# KiCad board StarboardWing.kicad_pcb (continued)
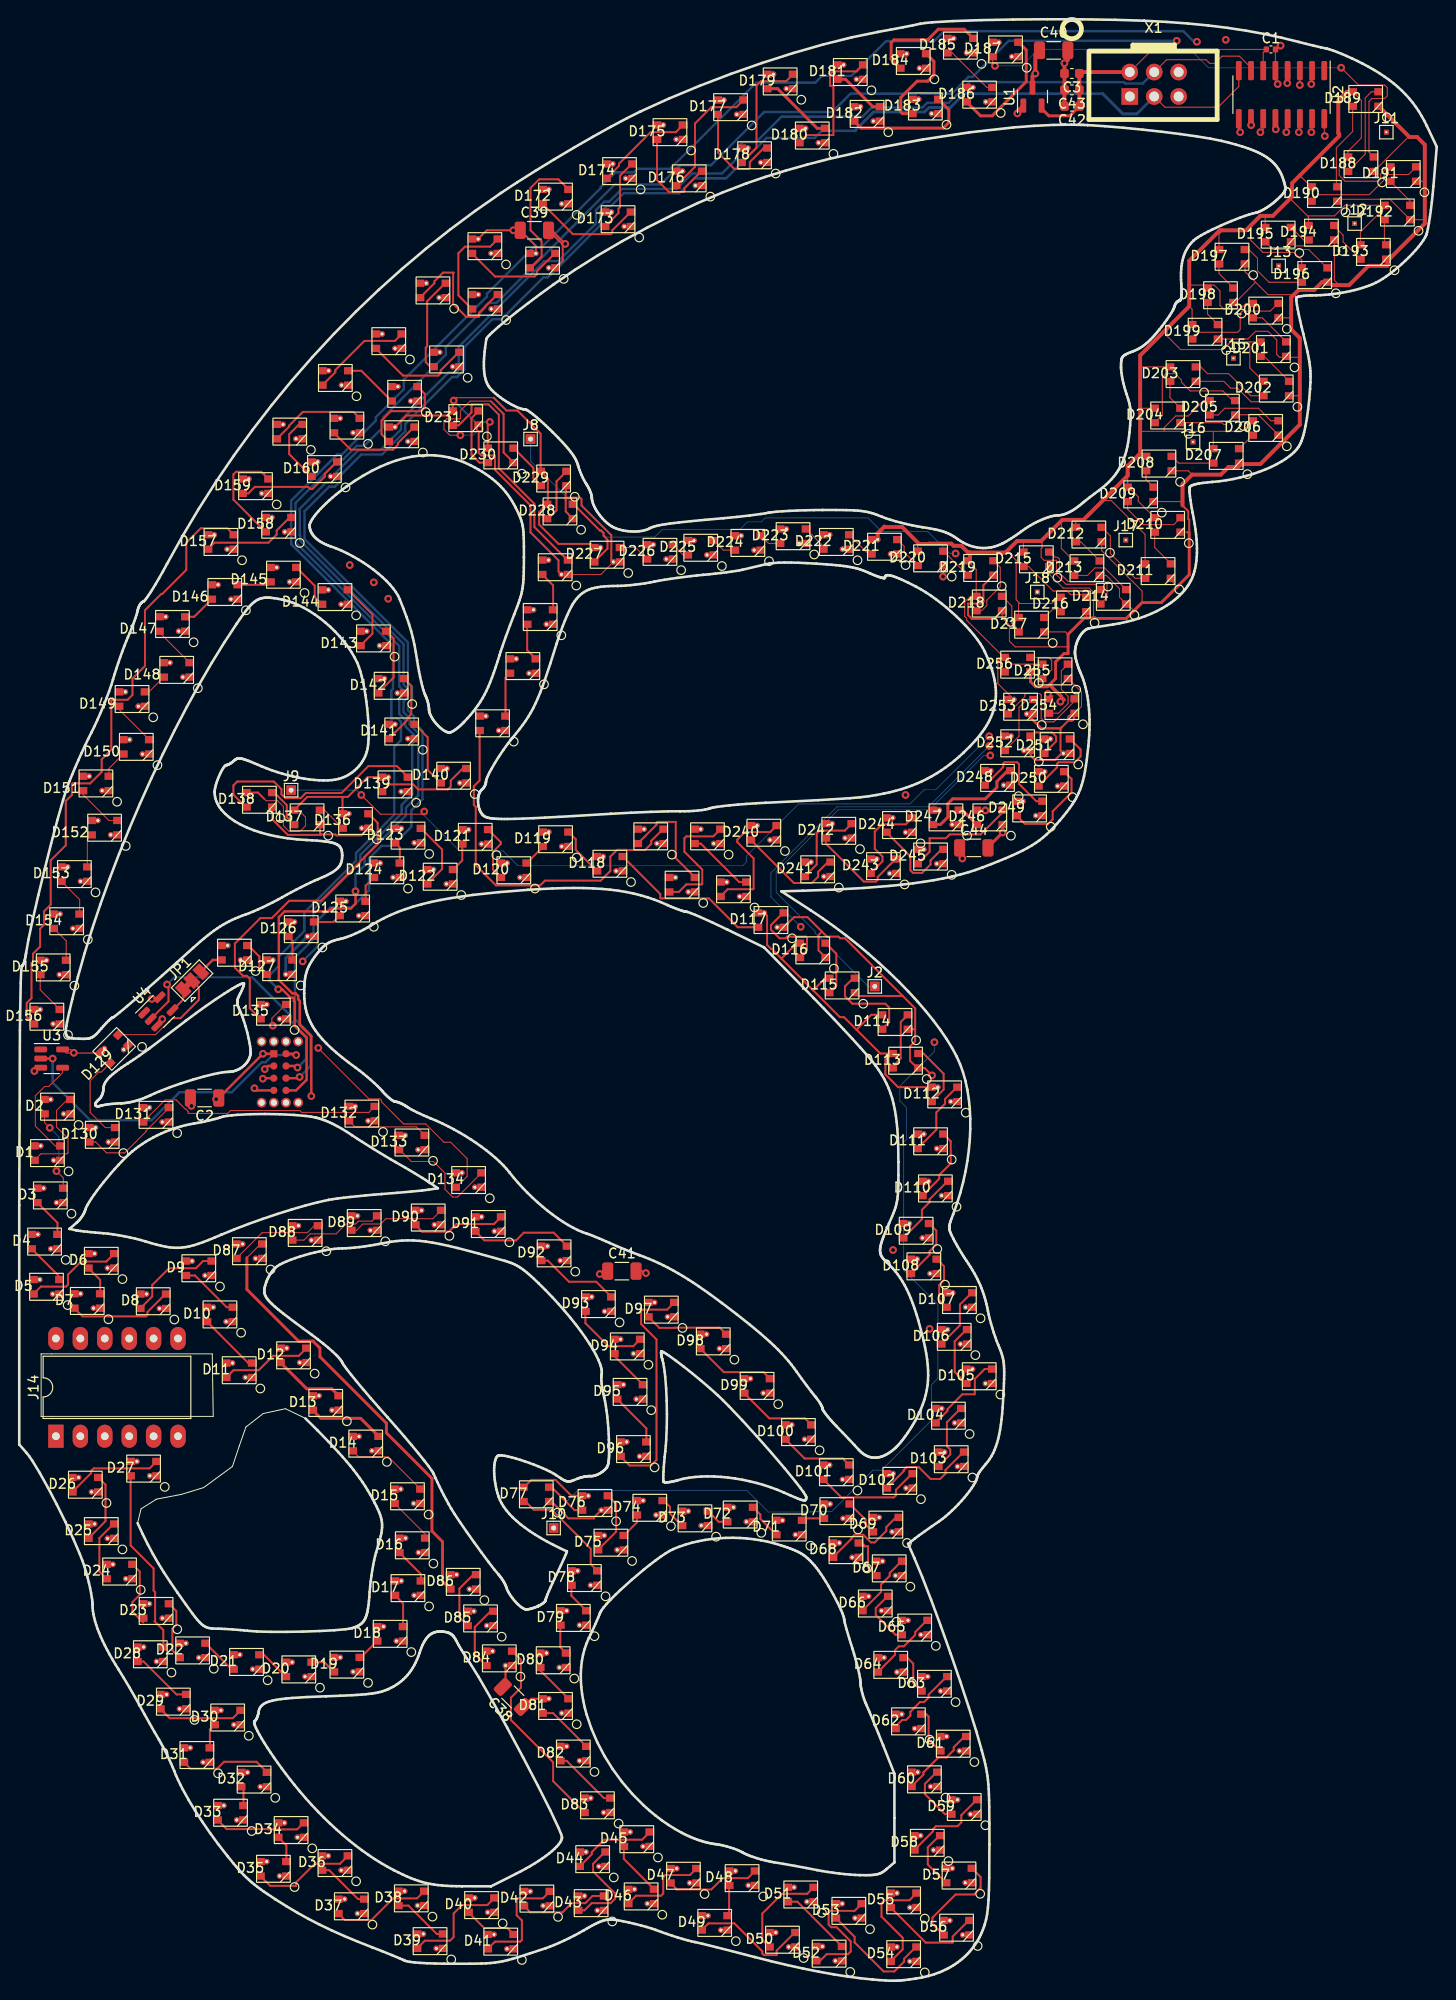
[diagram p0: board, top side]
## Routing (per net, layer and track width the routed paths; a pad name or vN(x,y) marks a point on that pad's centre or on a via; arc(x,y) is an arc through that point) (continued)
Net-(D50-DOUT): length 10.3
  Top w0.2: D51.2 81.95,9.04 79.32,9.04 77.27,6.99 77.27,4.27 D50.4
Net-(D51-DOUT): length 7.6
  Top w0.2: D51.4 80.92,8.22 D52.2
Net-(D52-DOUT): length 13.2
  Top w0.2: D52.4 83.27,2.07 83.97,2.77 86.2,2.77 86.47,3.04 86.47,4.09 85,5.57 84.45,5.57 84.17,5.84 84.17,7.19 84.25,7.27 86.87,7.27 D53.2
Net-(D53-DOUT): length 12.3
  Top w0.2: D53.4 86.87,4.57 86.87,3.99 89.9,0.97 91,0.97 92.02,1.99 92.02,2.29 93.25,3.52 D54.2
Net-(D54-DOUT): length 11.6
  Top w0.2: D55.2 92.57,8.37 89.97,8.37 89.67,8.07 89.67,6.67 91.87,4.47 91.87,3.27 D54.4
Net-(D55-DOUT): length 11
  Top w0.2: D55.4 94.27,3.97 97.07,3.97 97.07,4.59 98.75,6.27 D56.2
Net-(D56-DOUT): length 11
  Top w0.2: D56.4 94.97,5.92 94.97,6.57 97.37,8.97 99.28,8.97 99.97,9.66 99.97,10.8 D57.2
Net-(D57-DOUT): length 6.3
  Top w0.2: D58.2 95.71,15.09 94.48,13.86 94.48,12.09 D57.4
Net-(D58-DOUT): length 9.3
  Top w0.2: D59.2 99.58,18.82 97.97,17.21 97.97,16.47 97.57,16.07 95.33,16.07 95.03,15.76 95.03,15.54 D58.4
Net-(D59-DOUT): length 6.5
  Top w0.2: D60.2 95.41,21.69 94.18,20.46 94.18,19.41 96.27,17.32 D59.4
Net-(D60-DOUT): length 8.2
  Top w0.2: D60.4 94.03,21.44 94.03,21.66 95.58,23.21 96.42,23.21 97.18,23.97 97.18,24.27 98.3,25.39 D61.2
Net-(D61-DOUT): length 4.9
  Top w0.2: D62.2 94.32,27.72 94.57,27.47 94.57,25.1 D61.4
Net-(D62-DOUT): length 8.2
  Top w0.2: D63.2 96.45,31.62 94.57,29.74 94.57,29.44 94.1,28.97 93.67,28.97 92.67,27.97 92.67,27.57 92.22,27.12 91.82,27.12 91.12,26.42 D62.4
Net-(D63-DOUT): length 4.5
  Top w0.2: D63.4 92.97,30.97 92.97,32.97 92.35,33.59 D64.2
Net-(D64-DOUT): length 7.9
  Top w0.2: D65.2 94.4,37.47 93.17,36.24 93.17,35.94 92,34.77 91.47,34.77 91.07,34.37 91.07,33.88 D64.4
Net-(D65-DOUT): length 6.1
  Top w0.2: D66.2 90.3,39.97 89.07,38.74 89.07,38.02 91.12,35.97 D65.4
Net-(D66-DOUT): length 6.9
  Top w0.2: D67.2 91.75,43.62 90.52,42.39 90.52,42.09 89.62,41.19 89.62,40.42 D66.4
Net-(D67-DOUT): length 4.7
  Top w0.2: D67.4 88.27,42.97 88.27,45.17 87.97,45.17 ; D68.2 87.62,45.52 87.97,45.17 ; 87.97,45.17 87.77,45.17
Net-(D68-DOUT): length 9.5
  Top w0.2: D69.2 91.17,48.17 90.17,47.17 90.17,46.77 88.97,45.57 88.57,45.57 87.77,46.37 86.87,46.37 86.57,46.07 86.57,45.97 D68.4
Net-(D69-DOUT): length 3.9
  Top w0.2: D70.2 88.02,47.92 88.02,47.42 D69.4
Net-(D70-DOUT): length 2.3
  Top w0.2: D71.2 81.62,48.07 D70.4
Net-(D71-DOUT): length 3.8
  Top w0.2: D72.2 77.07,48.47 77.07,48.02 D71.4
Net-(D72-DOUT): length 2.5
  Top w0.2: D73.2 72.72,47.72 D72.4
Net-(D73-DOUT): length 3.5
  Top w0.2: D74.2 67.02,49.92 67.67,49.27 67.67,48.57 D73.4
Net-(D74-DOUT): length 2.7
  Top w0.2: D75.2 64.22,47.63 D74.4
Net-(D75-DOUT): length 6.8
  Top w0.2: D75.4 62.07,46.68 62.07,49.57 D76.2
Net-(D76-DOUT): length 4.3
  Top w0.2: D76.4 57.76,48.92 55.28,51.39
Net-(D77-DOUT): length 11.5
  Top w0.2: 52.58,49.89 53.51,48.97 55.37,48.97 59.43,44.91 59.43,43.31 D78.2
Net-(D78-DOUT): length 3.3
  Top w0.2: D79.2 57.42,40.02 D78.4
Net-(D79-DOUT): length 3.1
  Top w0.2: D80.2 56.27,34.67 D79.4
Net-(D80-DOUT): length 4.5
  Top w0.2: D81.2 54.17,32.27 D80.4
Net-(D81-DOUT): length 6
  Top w0.2: D81.4 55.52,27.82 D82.2
Net-(D82-DOUT): length 6.8
  Top w0.2: D82.4 56.92,22.87 60.8,18.99 D83.2
Net-(D83-DOUT): length 20.7
  Top w0.2: D84.2 52.17,33.37 52.17,30.47 51.13,29.43 51.13,27.1 55.52,22.72 55.52,20.75 D83.4
Net-(D84-DOUT): length 7.1
  Top w0.2: D84.4 47.37,33.97 47.37,36.77 49.02,38.42 D85.2
Net-(D85-DOUT): length 6.6
  Top w0.2: D85.4 45.77,37.77 45.77,40.77 47.22,42.22 D86.2
Net-(D86-DOUT): length 46.3
  Top w0.1: 23.67,75.17 25.1,76.59 D87.2
  Top w0.3: D86.4 44.02,41.52 44.02,45.64 42.92,46.74 42.92,52.22 38.18,56.96 38.18,57.96 31.27,64.87 31.27,65.77 30.55,66.49 29.05,66.49 23.67,71.87 23.67,75.17
Net-(D87-DOUT): length 9.9
  Top w0.1: D88.2 30.68,78.49 29.96,77.77 25.26,77.77 D87.4
Net-(D88-DOUT): length 9.9
  Top w0.1: D89.2 36.67,78.97 35.27,78.97 34.97,78.67 33.97,78.67 32.95,77.64 30.26,77.64 29.61,76.99 D88.4
Net-(D89-DOUT): length 10.2
  Top w0.1: D90.2 43.01,79.21 38.12,79.21 37.57,78.67 35.72,78.67 35.07,78.02 D89.4
Net-(D90-DOUT): length 9.9
  Top w0.2: D90.4 41.91,77.87 44.67,77.87 45.47,78.67 49.37,78.67 D91.2
Net-(D91-DOUT): length 10.9
  Top w0.2: D92.2 55.57,77.77 52.47,77.77 51.67,76.97 48.37,76.97 D91.4
Net-(D92-DOUT): length 8.9
  Top w0.2: D92.4 54.97,74.87 57.17,72.67 60.01,72.67 D93.2
Net-(D93-DOUT): length 8.2
  Top w0.2: D94.2 63.86,65.97 61.27,65.97 58.88,68.36 D93.4
Net-(D94-DOUT): length 4.5
  Top w0.2: D95.2 61.88,64.96 D94.4
Net-(D95-DOUT): length 5.7
  Top w0.2: D95.4 65.22,57.42 D96.2
Net-(D96-DOUT): length 24.4
  Top w0.2: D96.4 63.47,53.57 65.7,53.57 66.27,54.14 66.27,66.67 64.67,68.27 64.67,69.69 64.75,69.77 67.37,69.77 D97.2
Net-(D97-DOUT): length 8.9
  Top w0.2: D98.2 72.85,67.89 68.2,67.89 68.17,67.87 66.57,67.87 D97.4
Net-(D98-DOUT): length 8.6
  Top w0.2: D98.4 73.28,63.26 77.41,63.26 D99.2
Net-(D100-DIN): length 8.4
  Top w0.2: D100.2 81.71,58.46 78.01,58.46 D99.4
Net-(D100-DOUT): length 7.7
  Top w0.2: D101.2 85.65,54.29 81.68,54.29 D100.4
Net-(D101-DOUT): length 11.4
  Top w0.2: D102.2 92.85,52.72 91.17,51.04 91.17,50.47 90.95,50.24 85.5,50.24 D101.4
Net-(D102-DOUT): length 10.9
  Top w0.2: D102.4 91.97,52.97 91.97,53.07 92.3,53.39 93.55,53.39 94.77,52.17 95.77,52.17 96.32,52.72 96.32,53.09 98.2,54.97 D103.2
Net-(D103-DOUT): length 7.4
  Top w0.2: D103.4 96.82,54.72 96.82,55.21 96.47,55.56 96.47,58.06 97.91,59.49 D104.2
Net-(D104-DOUT): length 9.3
  Top w0.2: D104.4 96.53,59.24 96.53,59.42 98.07,60.97 99.37,60.97 99.37,62.57 100.4,63.59 D105.2
Net-(D105-DOUT): length 6.7
  Top w0.2: D106.2 98.51,67.69 97.28,66.46 97.28,63.29 D105.4
Net-(D106-DOUT): length 6.7
  Top w0.2: D106.4 97.82,68.13 97.82,70.29 99.05,71.52 D107.2
Net-(D107-DOUT): length 5.8
  Top w0.2: D108.2 96.17,74.27 96.17,72.84 95.67,72.34 95.67,70.77 D107.4
Net-(D108-DOUT): length 6.6
  Top w0.2: D108.4 94.67,75.47 94.67,75.84 95.37,76.54 95.37,77.97 D109.2
Net-(D109-DOUT): length 7.9
  Top w0.2: D110.2 96.55,83.12 94.67,81.24 94.67,80.94 93.87,80.14 93.87,79.17 D109.4
Net-(D110-DOUT): length 7.9
  Top w0.2: D110.4 95.67,83.37 95.67,83.77 96.87,84.97 96.87,87.27 D111.2
Net-(D111-DOUT): length 8.1
  Top w0.2: D112.2 97.51,92.89 96.28,91.66 96.28,91.17 95.37,90.27 95.37,88.47 D111.4
Net-(D112-DOUT): length 7
  Top w0.2: D112.4 96.13,92.64 96.13,94.29 94.03,96.39 93.38,96.39
Net-(D113-DOUT): length 6.2
  Top w0.2: D114.2 91.67,99.67 91.67,95.88 90.68,94.89
Net-(D114-DOUT): length 10.1
  Top w0.2: D114.4 90.47,99.67 90.47,101.17 90.07,101.57 86.65,101.57 85.87,102.34 85.87,103.37 86.72,104.22 D115.2
Net-(D115-DOUT): length 5.9
  Top w0.2: D116.2 84.97,106.77 84.97,103.47 D115.4
Net-(D116-DOUT): length 9
  Top w0.2: D116.4 81.92,107.12 81.92,108.42 81.8,108.54 79.85,108.54 79.67,108.37 79.07,108.37 78.17,109.27 78.17,109.74 79.45,111.02 D117.2
Net-(D117-DOUT): length 17.3
  Top w0.2: D117.4 74.72,109.52 71.73,112.51 66.72,112.51 66.67,112.57 66.67,112.97 D118.2
Net-(D118-DOUT): length 5.3
  Top w0.2: D118.4 57.87,117.57 57.87,118.67 D119.2
Net-(D119-DOUT): length 2.4
  Top w0.2: D120.2 54.42,117.83 D119.4
Net-(D120-DOUT): length 6.2
  Top w0.2: D121.2 50.07,118.37 50.07,118.17 49.27,117.37 49.27,115.5 D120.4
Net-(D121-DOUT): length 3
  Top w0.2: D121.4 46.07,116.47 D122.2
Net-(D122-DOUT): length 7.3
  Top w0.2: D122.4 43.97,115.57 43.97,117.6 D123.2
Net-(D123-DOUT): length 2.3
  Top w0.2: D124.2 39.58,117.79 D123.4
Net-(D124-DOUT): length 2.8
  Top w0.2: D125.2 36.02,113.83 D124.4
Net-(D125-DOUT): length 2.9
  Top w0.2: D125.4 32.67,110.07 D126.2
Net-(D126-DOUT): length 2.6
  Top w0.2: D126.4 28.42,108.12 D127.2
Net-(D127-DOUT): length 3.9
  Top w0.2: D127.4 24.97,105.37 24.97,106.47 23.82,107.62 D128.2
Net-(D129-DOUT): length 9.4
  Top w0.1: D129.4 8.53,94.47 8.27,94.47 7.37,93.57 7.37,90.27 8.95,88.69 D130.2
Net-(D130-DOUT): length 10.8
  Top w0.1: D131.2 15.57,90.74 13.17,88.34 13.17,88.27 10.97,86.07 9.07,86.07 7.95,87.19 D130.4
Net-(D131-DOUT): length 26.3
  Top w0.1: D132.2 36.36,90.26 29.38,90.26 29.17,90.47 21.97,90.47 21.67,90.17 17.57,90.17 17.57,90.37 17.32,90.62 17.27,90.62 16.37,91.51 16.37,91.57 15.17,91.57 D131.4
Net-(D132-DOUT): length 8.5
  Top w0.1: D132.4 34.91,88.76 41.31,88.76 D133.2
Net-(D133-DOUT): length 12.7
  Top w0.1: D133.4 39.56,86.39 40.78,85.17 43.07,85.17 44.27,83.97 44.27,82.27 45.08,81.47 45.56,81.47 D134.2
Net-(D134-DOUT): length 32.6
  Top w0.1: D135.2 27.71,101.49 26.27,100.06 26.27,99.39 v1(26.37,99.29) ; D134.4 45.46,82.49 46.58,83.61 46.58,85.46 44.87,87.17 44.17,87.17 42.27,89.07 39.97,89.07 37.68,91.36 37.68,91.51 37.53,91.67 36.37,91.67 31.1,96.94 v1(31.1,96.97)
  In2.Cu w0.1: v1(31.1,96.97) 31.1,97.25 29.06,99.29 v1(26.37,99.29)
Net-(D135-DOUT): length 31.8
  Top w0.2: D136.2 37.27,120.37 37.27,118.17 31.37,112.27 28.07,112.27 26.27,110.47 25.07,110.47 22.42,107.82 22.42,105.32 23.27,104.47 23.67,104.47 23.97,104.17 23.97,101.1 D135.4
Net-(D136-DOUT): length 3.1
  Top w0.1: D136.4 31.75,121.69 D137.2
Net-(D137-DOUT): length 4.4
  Top w0.2: D137.4 27.82,120.95 27.82,122.21 26.52,123.52 D138.2
Net-(D138-DOUT): length 24.1
  Top w0.2: D138.4 23.55,122.02 22.27,123.29 22.27,124.27 22.67,124.67 26.47,124.67 27.27,123.87 27.27,123.32 27.67,122.93 29.26,122.93 29.79,123.46 33.51,123.46 36.31,126.27 39.27,126.27 D139.2
Net-(D139-DOUT): length 10.6
  Top w0.2: D140.2 46.12,126.02 44.87,124.77 44.87,124.14 44.57,123.84 41.5,123.84 40.97,124.37 38.47,124.37 D139.4
Net-(D140-DOUT): length 7.2
  Top w0.2: D140.4 42.47,125.87 42.47,129.27 D141.2
Net-(D141-DOUT): length 7.5
  Top w0.2: D142.2 40.77,134.62 40.77,131.69 40.37,131.29 40.37,131.07 D141.4
Net-(D142-DOUT): length 7.4
  Top w0.2: D143.2 38.93,139.54 38.93,135.47 D142.4
Net-(D143-DOUT): length 7.4
  Top w0.2: D144.2 36.73,142.04 36.73,140.04 D143.4
Net-(D144-DOUT): length 4.9
  Top w0.2: D144.4 30.73,143.84 30.73,145.01 D145.2
Net-(D145-DOUT): length 3.5
  Top w0.2: D145.4 25.82,145.12 D146.2
Net-(D146-DOUT): length 3.5
  Top w0.2: D146.4 18.2,141.79 D147.2
Net-(D147-DOUT): length 4.6
  Top w0.1: D147.4 14.58,140.16 D148.2
Net-(D148-DOUT): length 2.6
  Top w0.1: D148.4 13.5,133.99 D149.2
Net-(D149-DOUT): length 4.8
  Top w0.1: D150.2 10.38,132.16 D149.4
Net-(D150-DOUT): length 2.9
  Top w0.1: D151.2 9.32,126.02 D150.4
Net-(D151-DOUT): length 5.3
  Top w0.1: 6.22,123.72 9.32,120.62 D152.2
Net-(D152-DOUT): length 3.5
  Top w0.1: D152.4 7.08,118.67 D153.2
Net-(D153-DOUT): length 4.2
  Top w0.1: D154.2 6.28,112.39 D153.4
Net-(D154-DOUT): length 3.8
  Top w0.1: D154.4 4.88,108.09 D155.2
Net-(D155-DOUT): length 4.5
  Top w0.1: D155.4 2.18,103.01 D156.2
Net-(D156-DOUT): length 65.1
  Top w0.2: D157.2 21.65,150.99 18.87,150.99 17.37,149.49 17.37,146.67 14.87,144.17 14.77,144.17 13.07,142.47 13.07,136.67 11.77,135.37 11.77,133.67 11.27,133.17 9.63,133.17 9.57,133.11 9.57,127.97 8.57,126.97 8.57,125.67 7.37,124.47 5.55,124.47 5.47,124.39 5.47,123.27 4.84,122.63 4.84,118.03 3.27,116.47 3.27,111.87 2.57,111.17 2.57,109.77 2.17,109.37 2.17,107.51 1.43,106.76 1.43,105.92 1.27,105.77 1.27,102.14 0.77,101.64 0.77,100.22 D156.4
Net-(D157-DOUT): length 10.3
  Top w0.2: D158.2 28.12,152.12 26.77,150.77 26.77,150.34 25.92,149.49 20.3,149.49 D157.4
Net-(D158-DOUT): length 11.4
  Top w0.2: D158.4 22.27,153.97 22.27,156.59 22.55,156.87 25.17,156.87 D159.2
Net-(D159-DOUT): length 11.6
  Top w0.2: D160.2 33.01,157.89 31.78,156.66 31.78,156.36 30.48,155.07 30.27,155.07 30.05,155.29 24.5,155.29 23.82,154.62 D159.4
Net-(D160-DOUT): length 7.2
  Top w0.2: D160.4 28.07,158.7 28.07,160.77 29.1,161.79 D161.2
Net-(D161-DOUT): length 10.1
  Top w0.2: D161.4 26.8,160.29 28.07,161.57 28.07,161.67 29.5,163.09 34.75,163.09 D162.2
Net-(D162-DOUT): length 10.2
  Top w0.2: D162.4 34.47,159.17 38.87,159.17 39.37,159.67 39.37,159.84 41.05,161.52 D163.2
Net-(D163-DOUT): length 10
  Top w0.2: D163.4 37.67,160.77 37.67,162.19 38.65,163.17 41.8,163.17 42.17,163.54 42.17,164.97 D164.2
Net-(D164-DOUT): length 5.8
  Top w0.2: D165.2 35.57,167.37 D164.4
Net-(D165-DOUT): length 10.6
  Top w0.2: D166.2 39.06,170.47 35.9,170.47 32.87,167.44 32.87,167.22 D165.4
Net-(D166-DOUT): length 11
  Top w0.2: D166.4 39.91,166.87 43.58,166.87 43.83,167.11 43.83,167.41 45.71,169.29 D167.2
Net-(D167-DOUT): length 10.1
  Top w0.2: D167.4 42.75,167.79 42.27,168.27 42.27,169.77 42.42,169.92 42.42,174.59 44.3,176.47 D168.2
Net-(D168-DOUT): length 14.4
  Top w0.2: D168.4 43.17,176.47 43.17,176.67 44.07,177.57 45.17,177.57 45.12,177.51 45.12,174.32 46.48,172.97 47.77,172.97 47.83,173.02 47.83,173.41 49.71,175.29 D169.2
Net-(D169-DOUT): length 11.1
  Top w0.2: D170.2 48.97,180.27 46.35,180.27 45.67,179.59 45.67,175.2 D169.4
Net-(D170-DOUT): length 10.9
  Top w0.2: D170.4 49.47,177.17 53.6,177.17 53.82,177.39 53.82,177.69 55.7,179.57 D171.2
Net-(D171-DOUT): length 14.1
  Top w0.2: D171.4 53.15,178.07 54.32,179.24 54.32,180.82 53.17,181.97 53.17,186.37 54.07,187.27 56.07,187.27 D172.2
Net-(D172-DOUT): length 11.6
  Top w0.2: D173.2 63.57,183.87 61.67,181.97 61.67,181.69 61.55,181.57 57.57,181.57 D172.4
Net-(D173-DOUT): length 7.7
  Top w0.2: D174.2 63.7,188.87 62.47,187.64 62.47,184.37 62.32,184.22 62.32,183.77 D173.4
Net-(D174-DOUT): length 10.4
  Top w0.2: D174.4 62.37,188.67 62.37,188.89 65.65,192.17 68.27,192.17 D175.2
Net-(D175-DOUT): length 10.5
  Top w0.2: D176.2 70.95,188.12 69.17,186.34 69.17,186.07 69.05,185.94 67.57,185.94 66.32,187.19 D175.4
Net-(D176-DOUT): length 13.3
  Top w0.2: D176.4 70.27,188.57 70.27,193.07 71.97,194.77 74.57,194.77 D177.2
Net-(D177-DOUT): length 11.1
  Top w0.2: D177.4 72.67,193.97 72.67,190.04 74.37,188.34 75.87,188.34 75.97,188.44 75.97,189.07 77.42,190.52 D178.2
Net-(D178-DOUT): length 12.9
  Top w0.2: D178.4 76.67,190.57 76.67,197.01 77.13,197.47 79.76,197.47 D179.2
Net-(D179-DOUT): length 7.7
  Top w0.3: D179.4 78.86,196.69 82.99,192.57 D180.2
Net-(D180-DOUT): length 14.4
  Top w0.2: D181.2 87.1,198.49 84.6,198.49 84.32,198.22 84.32,196.99 84.67,196.99 84.67,191.87 81.92,191.87 D180.4
Net-(D181-DOUT): length 5.6
  Top w0.3: D181.4 85.92,197.67 88.77,194.82 D182.2
Net-(D182-DOUT): length 13.3
  Top w0.3: D183.2 96.67,194.5 96.67,193.17 96.1,192.59 87.55,192.59 D182.4
Net-(D183-DOUT): length 9.7
  Top w0.3: D183.4 91.85,194.09 91.67,194.27 91.67,195.77 93.37,197.47 94.47,197.47 95.12,198.12 95.12,199.52 D184.2
Net-(D184-DOUT): length 12.6
  Top w0.3: D184.4 90.67,199.77 90.67,201.47 90.97,201.77 94.47,201.77 95.57,202.87 98.27,202.87 D185.2
Net-(D185-DOUT): length 6.2
  Top w0.1: D186.2 100.62,196.82 97.02,200.42 D185.4
Net-(D186-DOUT): length 12.7
  Top w0.3: D187.2 104.72,200.72 104.72,197.42 101.17,193.87 99.97,193.87 D186.4
Net-(D187-DOUT): length 53.2
  Top w0.1: v1(137.47,198.87) 139.27,197.07 142,197.07 142.27,196.79 142.27,195.94 142,195.67 140.67,195.67 140.37,195.37 140.37,190.1 D188.2 ; D187.4 101.22,199.32 v1(101.47,199.07)
  Bottom w0.1: v1(137.47,198.87) 123.67,198.87 121.77,200.77 105.97,200.77 104.27,199.07 v1(101.47,199.07)
Net-(D188-DOUT): length 10
  Top w0.1: D189.2 140.62,196.37 139.97,195.72 139.97,189.88 D188.4
Net-(D189-DOUT): length 9.1
  Top w0.1: D190.2 136.97,186.6 136.97,190.54 138.67,192.24 D189.4
Net-(D190-DOUT): length 12.6
  Top w0.1: D190.4 135.06,185.67 140.4,185.67 141.88,187.15 141.88,187.55 142.1,187.77 144.48,187.77 D191.2
Net-(D191-DOUT): length 3.4
  Top w0.1: D192.2 144.67,184.97 D191.4
Net-(D192-DOUT): length 2.7
  Top w0.1: D193.2 141.97,180.67 D192.4
Net-(D193-DOUT): length 4.6
  Top w0.1: D193.4 137.67,180.77 137.67,181.47 136.77,182.37 D194.2
Net-(D194-DOUT): length 2.3
  Top w0.1: D194.4 133.57,180.97 D195.2
Net-(D195-DOUT): length 7.6
  Top w0.1: D195.4 130.37,179.96 134.1,179.96 136,178.07 D196.2
Net-(D196-DOUT): length 8.1
  Top w0.1: D196.4 129.97,176.57 128.77,177.77 128.77,179.07 127.87,179.97 D197.2
Net-(D197-DOUT): length 3.1
  Top w0.1: D197.4 124.77,177.47 D198.2
Net-(D198-DOUT): length 2.8
  Top w0.1: D198.4 123.57,173.27 D199.2
Net-(D199-DOUT): length 11.5
  Top w0.1: D199.4 122.67,171.37 126.7,171.37 126.97,171.64 126.97,173.34 127.2,173.57 130.1,173.57 130.9,174.37 D200.2
Net-(D200-DOUT): length 4.5
  Top w0.1: D200.4 129.27,172.87 D201.2
Net-(D201-DOUT): length 4.1
  Top w0.1: D201.4 129.47,168.87 D202.2
Net-(D202-DOUT): length 8.2
  Top w0.1: D203.2 122.87,167.77 123.57,167.07 125.77,167.07 128.07,164.77 D202.4
Net-(D203-DOUT): length 3.3
  Top w0.1: D204.2 119.67,164.57 D203.4
Net-(D204-DOUT): length 14.1
  Top w0.1: D205.2 126.17,164.27 125.17,165.27 121.77,165.27 120.87,166.17 120.87,166.39 120.2,167.07 119.27,167.07 118.87,166.67 118.87,162.77 D204.4
Net-(D205-DOUT): length 8
  Top w0.1: D205.4 124.67,162.77 125.37,163.47 128.87,163.47 130.17,162.17 D206.2
Net-(D206-DOUT): length 2
  Top w0.1: D207.2 D206.4
Net-(D207-DOUT): length 4.6
  Top w0.1: D207.4 120.57,157.77 D208.2
Net-(D208-DOUT): length 2
  Top w0.1: D209.2 117.17,156.07 D208.4
Net-(D209-DOUT): length 7.3
  Top w0.1: D210.2 120.06,151.37 116.87,151.37 115.27,152.97 D209.4
Net-(D210-DOUT): length 4
  Top w0.1: D210.4 118.08,148.99 D211.2
Net-(D211-DOUT): length 7.8
  Top w0.1: D211.4 116.05,145.79 113.47,148.37 113.47,150.2 D212.2
Net-(D212-DOUT): length 3.3
  Top w0.1: D212.4 110.38,149.59 D213.2
Net-(D213-DOUT): length 6.7
  Top w0.1: D214.2 112.87,146.87 111.87,146.87 111.1,146.09 D213.4
Net-(D214-DOUT): length 10.6
  Top w0.1: D214.4 113.12,143.82 113.12,145.24 112.9,145.46 109.08,145.46 108.17,146.37 108.17,147.79 108,147.96 107.75,147.96 107.2,148.52 D215.2
Net-(D215-DOUT): length 7.8
  Top w0.1: 110.98,144.09 109.35,144.09 108.97,144.47 107.52,144.47 104.97,147.02 D215.4
Net-(D216-DOUT): length 2
  Top w0.1: D217.2 107.5,142.59 108.28,142.59
Net-(D217-DOUT): length 4.4
  Top w0.1: D217.4 103.92,140.39 103.22,141.09 103.22,142.92 D218.2
Net-(D218-DOUT): length 6.8
  Top w0.1: D218.4 100.07,142.42 100.62,142.96 100.62,143.51 102.02,144.92 102.02,146.92 D219.2
Net-(D219-DOUT): length 3.5
  Top w0.1: D219.4 D220.2
Net-(D220-DOUT): length 3.6
  Top w0.1: D220.4 92.02,148.52 92.02,149.12 D221.2
Net-(D221-DOUT): length 3.1
  Top w0.1: D221.4 88.32,148.32 D222.2
Net-(D222-DOUT): length 2.8
  Top w0.1: D222.4 83.62,149.12 D223.2
Net-(D223-DOUT): length 2.3
  Top w0.1: D223.4 77.92,149.42 D224.2
Net-(D224-DOUT): length 2.6
  Top w0.1: D224.4 73.22,148.72 D225.2
Net-(D225-DOUT): length 2
  Top w0.1: D226.2 69.06,148.22 D225.4
Net-(D226-DOUT): length 3.3
  Top w0.1: D227.2 64.08,148.99 D226.4
Net-(D227-DOUT): length 8.2
  Top w0.2: D228.2 57.66,153.49 60.39,150.76 60.52,150.76 60.77,150.51 60.77,150.21 61.17,149.8 61.17,148.88 D227.4
Net-(D228-DOUT): length 5.8
  Top w0.2: D228.4 55,151.99 55.87,152.87 55.87,155.87 D229.2
Net-(D229-DOUT): length 5.1
  Top w0.2: D229.4 53.47,156.17 53.47,157.27 D230.2
Net-(D230-DOUT): length 6.9
  Top w0.2: D231.2 47.03,162.44 47.03,158.64 47.86,157.82 D230.4
Net-(D231-DOUT): length 24.8
  Top w0.2: D232.2 57.01,147.69 53.57,151.12 53.57,153.53 49.87,157.23 49.87,162.8 48.81,163.86 47.03,163.86 47.03,163.03 45.69,161.69 D231.4
Net-(D232-DOUT): length 4.1
  Top w0.2: D233.2 55.52,145.05 D232.4
Net-(D233-DOUT): length 4
  Top w0.2: D233.4 52.82,138.32 D234.2
Net-(D234-DOUT): length 4.6
  Top w0.2: D234.4 50.57,135.47 D235.2
Net-(D235-DOUT): length 38.2
  Top w0.2: D235.4 47.87,124.77 47.27,124.16 47.27,123.67 47.27,122.24 47.47,122.04 47.47,115.97 49.57,113.87 54.17,113.87 54.67,114.37 60.47,114.37 61.47,115.37 61.47,116.87 62.17,117.57 63.17,117.57 63.2,117.54 65.07,117.54 65.72,118.19 65.72,118.49 66.95,119.72 D236.2
Net-(D236-DOUT): length 11.6
  Top w0.2: D236.4 66.27,120.17 66.27,120.39 66.35,120.47 68.27,120.47 68.27,116.7 D237.2
Net-(D237-DOUT): length 13.5
  Top w0.2: D238.2 72.17,118.97 69.37,118.97 69.17,118.77 69.17,117.37 71.03,115.51 71.03,114.01 70.98,113.97 69.37,113.97 68.6,113.19 D237.4
Net-(D238-DOUT): length 7.1
  Top w0.2: D239.2 74.87,114.22 70.87,118.22 D238.4
Net-(D239-DOUT): length 14.3
  Top w0.2: D240.2 78.11,119.41 75.48,119.41 74.67,118.61 74.67,118.37 76.37,116.67 76.37,113.54 76.3,113.47 73.67,113.47 D239.4
Net-(D240-DOUT): length 11.3
  Top w0.2: D240.4 80.56,114.11 82.42,114.11 83.08,114.77 83.08,115.27 84.1,116.29 D241.2
Net-(D241-DOUT): length 9.1
  Top w0.2: D241.4 82.93,116.04 82.93,119.26 83.23,119.57 85.86,119.57 D242.2
Net-(D242-DOUT): length 10.7
  Top w0.2: D243.2 91.15,116.62 89.27,114.74 89.27,114.44 89.1,114.27 87.83,114.27 83.88,118.21 D242.4
Net-(D243-DOUT): length 9.7
  Top w0.2: D244.2 92.21,120.21 89.72,120.21 88.97,119.47 88.97,117.66 89.77,116.86 89.77,116.37 D243.4
Net-(D244-DOUT): length 9.8
  Top w0.2: D244.4 92.67,116.9 92.67,115.44 92.95,115.17 93.9,115.17 94.77,116.04 94.77,116.47 95.92,117.62 D245.2
Net-(D245-DOUT): length 12.1
  Top w0.2: D245.4 94.67,117.37 94.67,118.77 96.37,118.77 96.77,119.17 99.98,119.17 102.28,121.46 D246.2
Net-(D246-DOUT): length 2.5
  Top w0.3: D246.4 98.08,121.69 D247.2
Net-(D247-DOUT): length 11.6
  Top w0.3: D248.2 102.8,125.79 101.67,124.67 101.67,124.07 100.47,122.87 97.07,122.87 96.57,122.37 96.57,120.97 95.8,120.19 D247.4
Net-(D248-DOUT): length 10.1
  Top w0.2: D249.2 105.77,122.62 103.97,124.42 103.97,126.47 103.77,126.67 102.47,126.67 102.33,126.52 102.33,126.16 100.46,124.29 D248.4
Net-(D249-DOUT): length 10.4
  Top w0.2: D249.4 104.57,120.27 107,120.27 107.47,120.74 107.47,121.57 109.43,123.52 109.43,124.94 D250.2
Net-(D250-DOUT): length 8.2
  Top w0.2: D251.2 110.37,128 110.37,127.27 109.77,126.67 108.07,126.67 107.93,126.52 107.93,126.14 D250.4
Net-(D251-DOUT): length 5.2
  Top w0.2: D252.2 105.56,129.76 107.41,129.76 107.83,129.34 107.83,128.84 D251.4
Net-(D252-DOUT): length 6.9
  Top w0.1: D252.4 103.97,129.38 103.97,132.37 104.8,133.19 D253.2
Net-(D253-DOUT): length 11.7
  Top w0.1: D253.4 104.57,133.48 104.57,133.67 104.72,133.81 106.13,133.81 106.27,133.67 106.27,131.24 106.65,130.87 107.6,130.87 109.77,133.04 D254.2
Net-(D254-DOUT): length 7.1
  Top w0.1: D254.4 108.07,131.77 109.07,132.76 109.07,133.53 108.37,134.23 108.37,136.16 D255.2
Net-(D255-DOUT): length 4.7
  Top w0.1: D256.2 107.07,137.57 107.37,137.26 107.37,136.29 106.45,135.37 D255.4
Net-(JP1-C): length 12.2
  Top w0.1: D129.2 14.18,98.35 15.95,100.12
  Top w0.2: 15.97,100.07 16.77,100.07 18.67,101.97 18.67,103.27 JP1.2
Net-(U2-CH0): length 122.4
  Top w0.2: U2.9 126.83,192.31 v1(126.97,192.17)
  In2.Cu w0.1: v1(126.97,192.17) 127.27,192.17 128.87,190.57 129.67,190.57 132.47,187.77 132.47,185.37 129.27,182.17 125.87,182.17 121.67,177.97 121.67,173.57 116.17,168.07 116.17,157.67 109.97,151.47 107.37,151.47 107.07,151.17 105.9,151.17 103.1,148.37 v1(97.38,148.37)
  Bottom w0.1: v1(97.38,148.37) 96.77,148.37 94.47,150.67 89.67,150.67 88.27,152.07 77.57,152.07 77.17,151.67 75.75,151.67 74.95,150.87 66.87,150.87 66.07,150.07 61.07,150.07 53.17,157.97 J8.1
Net-(U2-CH1): length 167.3
  Top w0.1: v1(42.12,121.54) 41.84,121.27 37.57,121.27 v1(35.57,123.27) ; v1(128.11,192.91) 128.1,192.92 U2.10
  In2.Cu w0.1: v1(100.87,129.37) 102.07,130.57 102.07,136.97 100.97,138.07 100.97,143.97 103.67,146.67 103.67,148.51 106.03,150.87 107.2,150.87 107.5,151.17 110.1,151.17 116.54,157.6 116.54,168 121.97,173.44 121.97,177.84 126,181.87 129.4,181.87 132.77,185.24 132.77,187.89 129.8,190.87 129,190.87 128.11,191.75 v1(128.11,192.91)
  Bottom w0.1: J9.1 35.07,123.77 v1(35.57,123.27) ; v1(42.12,121.54) 41.97,121.4 41.97,121.27 45.8,117.44 50.33,117.44 51.86,115.92 75.24,115.92 75.62,116.3 75.62,116.91 81.05,122.34 92.65,122.34 94.12,123.82 95.32,123.82 v1(100.87,129.37)
Net-(U2-CH2): length 230.3
  Top w0.1: v1(129.07,192.17) 129.37,192.46 U2.11
  In1.Cu w0.1: v1(95.17,97.57) 95.07,97.57 95.07,98.77 85.27,108.57 82.27,108.57 v1(81.27,109.57)
  In2.Cu w0.1: v1(100.87,128.37) 102.47,129.97 102.47,136.99 101.27,138.19 101.27,143.77 103.97,146.47 103.97,148.39 106.15,150.57 107.32,150.57 107.62,150.87 110.22,150.87 116.84,157.48 116.84,167.88 122.27,173.32 122.27,177.72 126.12,181.57 129.52,181.57 133.07,185.12 133.07,188.01 129.92,191.17 129.17,191.17 129.07,191.27 v1(129.07,192.17)
  Bottom w0.1: 82.47,48.76 82.43,48.73 82.31,48.73 ; v1(100.87,128.37) 94.55,122.04 85.05,122.04 78.17,115.17 78.17,112.67 v1(81.27,109.57) ; 82.31,48.73 82.35,48.77 84.47,48.77 88.77,53.07 89.67,53.07 94.87,58.27 94.87,61.97 95.53,62.62 95.53,70.31 91.97,73.87 91.97,87.17 92.27,87.47 92.27,90.77 91.57,91.47 91.57,93 95.17,96.6 v1(95.17,97.57) ; 82.31,48.73 77.91,48.73 75.67,50.97 58.07,50.97 55.57,48.47 J10.1
Net-(U2-CH3): length 129.8
  Top w0.1: U2.12 130.64,192.5 v1(130.67,192.47)
  In2.Cu w0.1: v1(130.67,192.47) 130.67,190.84 133.37,188.14 133.37,184.99 129.65,181.27 126.25,181.27 122.57,177.59 122.57,173.19 117.14,167.75 117.14,157.35 110.35,150.57 107.74,150.57 107.45,150.27 106.27,150.27 104.29,148.28 104.29,146.35 101.57,143.64 101.57,138.31 102.77,137.11 102.77,129.84 101.87,128.94 101.87,128.17 101.08,127.37 v1(100.98,127.37)
  Bottom w0.1: v1(100.98,127.37) 100.31,127.37 94.67,121.74 85.17,121.74 78.72,115.29 78.72,113.14 82.77,109.09 82.77,108.89 88.3,103.37 J2.1
Net-(U2-CH4): length 65.8
  Top w0.1: 131.91,193.57 131.77,193.43 v1(131.77,192.17)
  In2.Cu w0.1: v1(131.77,192.17) 131.67,192.07 131.67,190.27 133.67,188.27 133.67,184.87 129.77,180.97 126.37,180.97 122.87,177.47 122.87,173.07 117.44,167.63 117.44,157.23 110.47,150.27 107.87,150.27 107.57,149.97 106.4,149.97 105.87,149.44 J18.1
Net-(U2-CH5): length 54.2
  Top w0.1: U2.14 133.18,192.27 v1(133.07,192.17)
  In2.Cu w0.1: v1(133.07,192.17) 132.89,191.98 132.89,189.48 133.97,188.39 133.97,184.74 129.9,180.67 126.5,180.67 123.17,177.34 123.17,172.94 117.74,167.51 117.74,157.11 115.07,154.44 J17.1
Net-(U2-CH6): length 46.3
  Top w0.1: U2.15 134.37,193.49 v1(134.37,192.17)
  In2.Cu w0.1: J16.1 119.87,159.97 118.04,161.8 118.04,167.33 123.47,172.77 123.47,177.22 126.62,180.37 130.02,180.37 134.27,184.62 134.27,188.51 133.19,189.6 133.19,190.98 v1(134.37,192.17)
Net-(U2-CH7): length 32.9
  Top w0.1: v1(135.77,191.77) 135.72,191.82 U2.16
  In2.Cu w0.1: v1(135.77,191.77) 134.57,190.57 134.57,184.5 130.14,180.07 126.74,180.07 123.77,177.1 123.77,172.77 126.27,170.27 J15.1
Net-(U2-CH9): length 12.2
  Top w0.1: v1(134.37,197.17) 134.45,197.24 U2.2
  In2.Cu w0.1: v1(134.37,197.17) 134.37,195.61 137.82,192.17 J11.1
Net-(U2-CH10): length 19.5
  Top w0.1: v1(133.17,197.07) 133.17,198.56 U2.3
  In2.Cu w0.1: v1(133.17,197.07) 133.17,196.39 136.77,192.79 136.77,191.04 135.22,189.49 135.22,186.32 J12.1
Net-(U2-CH11): length 24.5
  Top w0.1: v1(131.87,197.27) 131.91,197.3 131.91,198.57
  In2.Cu w0.1: v1(131.87,197.27) 136.47,192.67 136.47,191.17 134.92,189.62 134.92,184.42 130.97,180.47 J13.1
Net-(U4-Y): length 2.6
  Top w0.2: JP1.1 17.06,102 U4.4

## Copper pours and planes (outline as drawn; the poured copper is in the pictures)
/5V on In2.Cu: 142.06,202.9 127.26,186.8 109.46,175.3 102.06,149.6 93.36,142.1 99.26,134.8 112.46,134.4 151.16,126.5 129.66,-46.8 -7.04,-53.6 -16.14,169.2 45.26,239.8
/GND on Bottom, In1.Cu: 141.87,202.57 127.07,186.47 109.27,174.97 101.87,149.27 93.17,141.77 100.47,134.07 110.37,139.97 150.97,126.17 129.47,-47.13 -7.23,-53.93 -16.33,168.87 45.07,239.47
/GND on In1.Cu: 137.17,194.17 138.57,192.17 136.47,188.97 135.47,183.67 132.07,180.37 126.67,178.77 124.37,173.67 125.17,170.07 123.17,171.57 118.87,166.67 118.47,160.57 118.17,156.27 111.37,149.77 108.37,149.57 105.57,148.47 104.37,145.27 102.77,141.47 103.37,138.57 104.27,133.77 100.27,133.97 101.17,150.37 108.67,177.47 125.77,194.37
Net-(U2-CH0) on Bottom: 62.87,156.97 51.97,146.57 47.17,158.67 52.07,166.87
Net-(U2-CH1) on Bottom: 23.27,128.57 24.67,128.87 33.87,127.07 32.47,116.37 16.47,117.87 21.97,129.27
Net-(U2-CH2) on Bottom: 58.27,53.57 55.57,43.27 45.67,51.97 50.37,57.87
Net-(U2-CH3) on Bottom: 100.47,98.37 87.27,90.97 77.97,104.77 86.27,109.77
Net-(U2-CH4) on Bottom: 111.67,147.57 109.97,140.47 100.87,134.77 93.57,142.77 96.37,145.17 105.47,150.87
Net-(U2-CH5) on Bottom: 122.57,149.97 122.37,139.87 110.27,140.77 111.97,147.67 105.57,150.97 112.87,156.17 118.47,156.97
Net-(U2-CH6) on Bottom: 128.17,155.47 122.67,150.17 118.57,157.07 114.47,156.57 111.87,164.07 124.47,166.47
Net-(U2-CH7) on Bottom: 134.57,170.07 137.27,158.07 128.37,155.57 124.67,166.67 114.07,164.87 114.77,174.17 129.77,175.27
Net-(U2-CH9) on Bottom: 149.07,194.97 148.17,183.57 141.97,188.97 130.57,187.47 130.37,189.67 139.77,200.37
Net-(U2-CH10) on Bottom: 147.57,183.77 147.87,177.67 139.87,173.47 134.67,181.97 124.27,183.07 129.37,187.17 141.87,188.67
Net-(U2-CH11) on Bottom: 134.37,181.77 139.57,173.67 134.77,170.37 129.97,175.47 119.47,174.67 121.67,182.97
Net-(U2-CH11) on Bottom: 134.37,181.77 139.57,173.67 134.77,170.37 129.97,175.47 119.47,174.67 121.67,182.97
